# Altium PCB gaze_led_through_hole_daughtercard.PcbDoc (part 1 of 2)
Units mm, origin at the board's own origin, x right, y up, seen from the top; angles counter-clockwise.
Board outline 138 x 51 mm, 4 copper layers (Top Layer, L2, L3, Bottom Layer), stack 1.603 mm thick; 95 components, 89 nets, 297 pads, 441 vias.
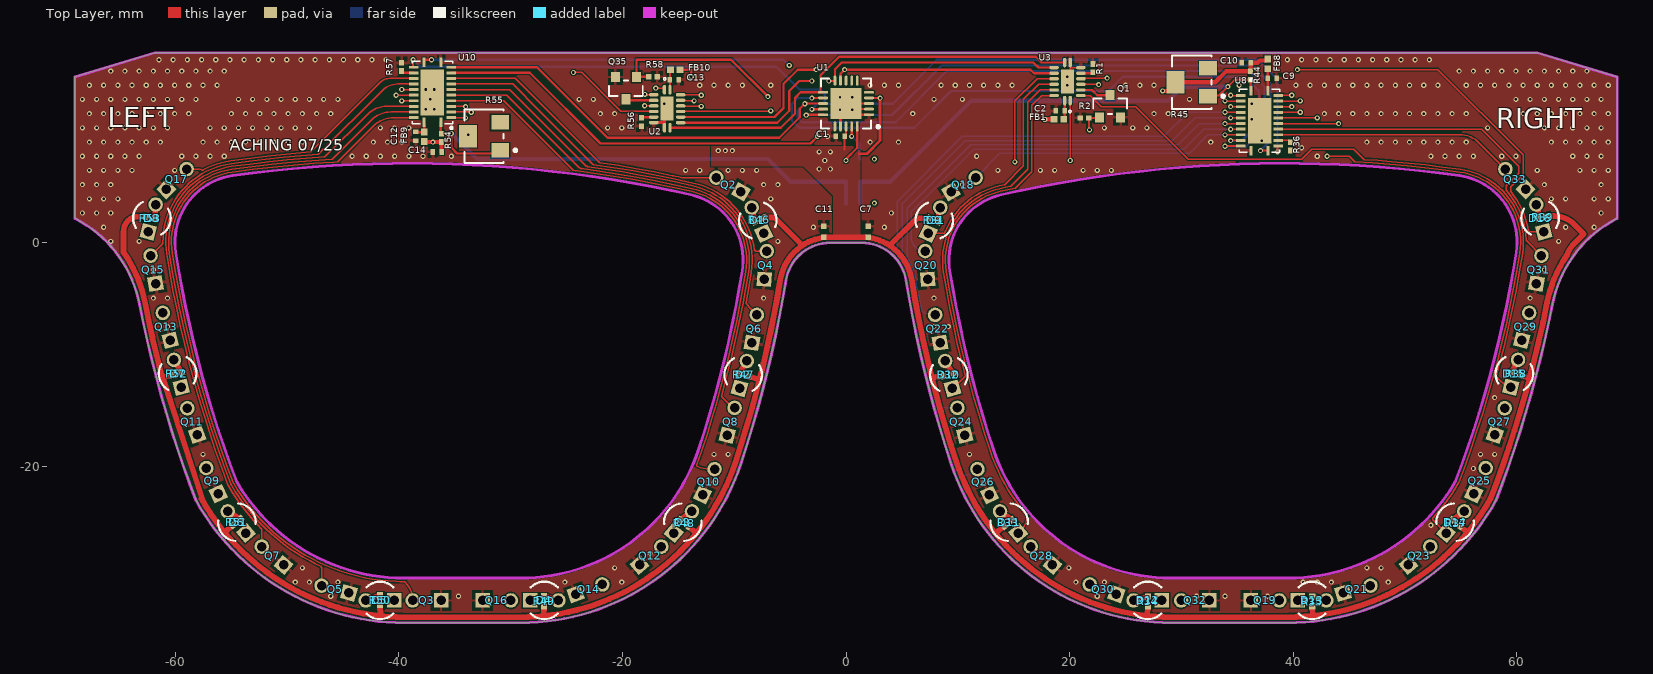
[diagram p0: Top Layer view]
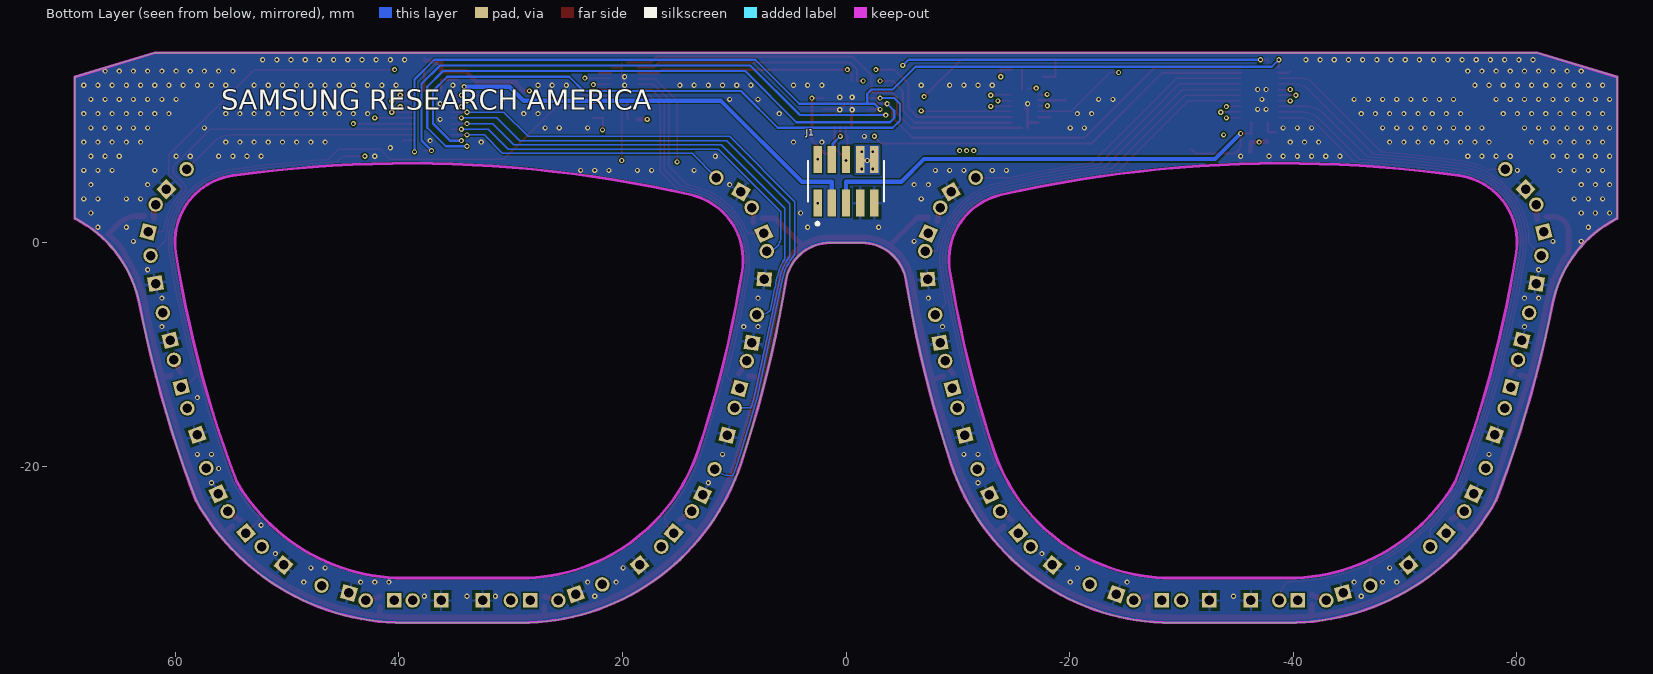
[diagram p1: Bottom Layer view, seen from below]
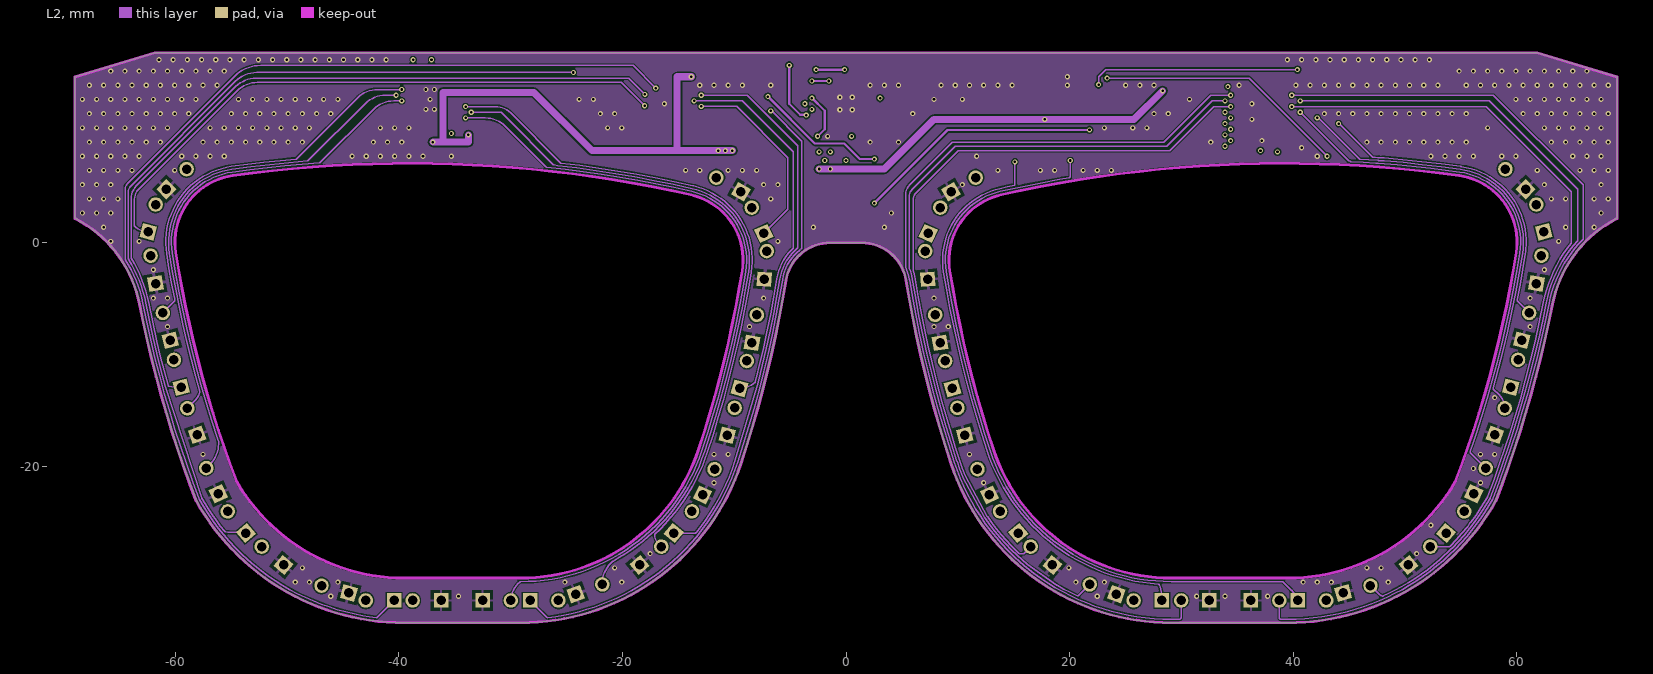
[diagram p2: L2]
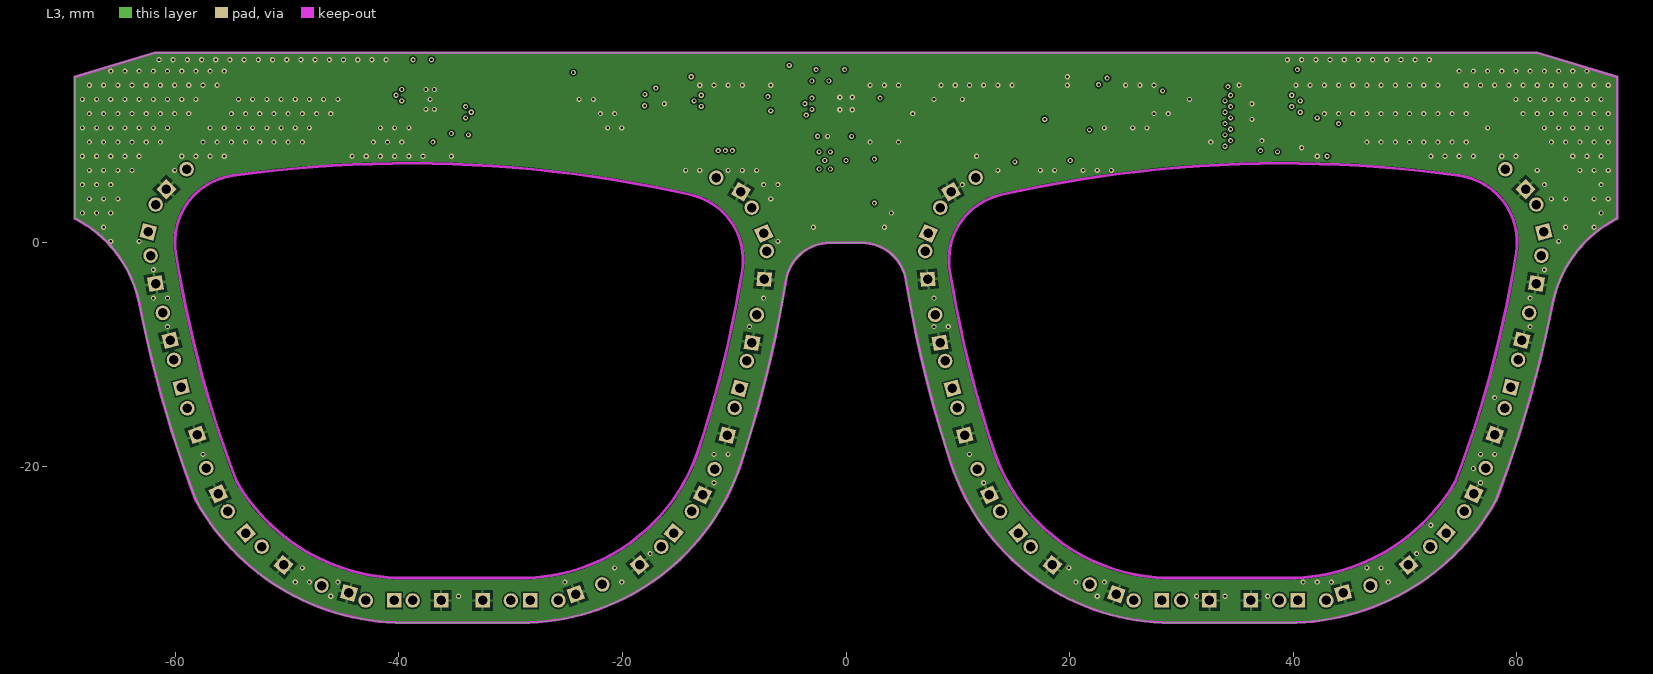
[diagram p3: L3]
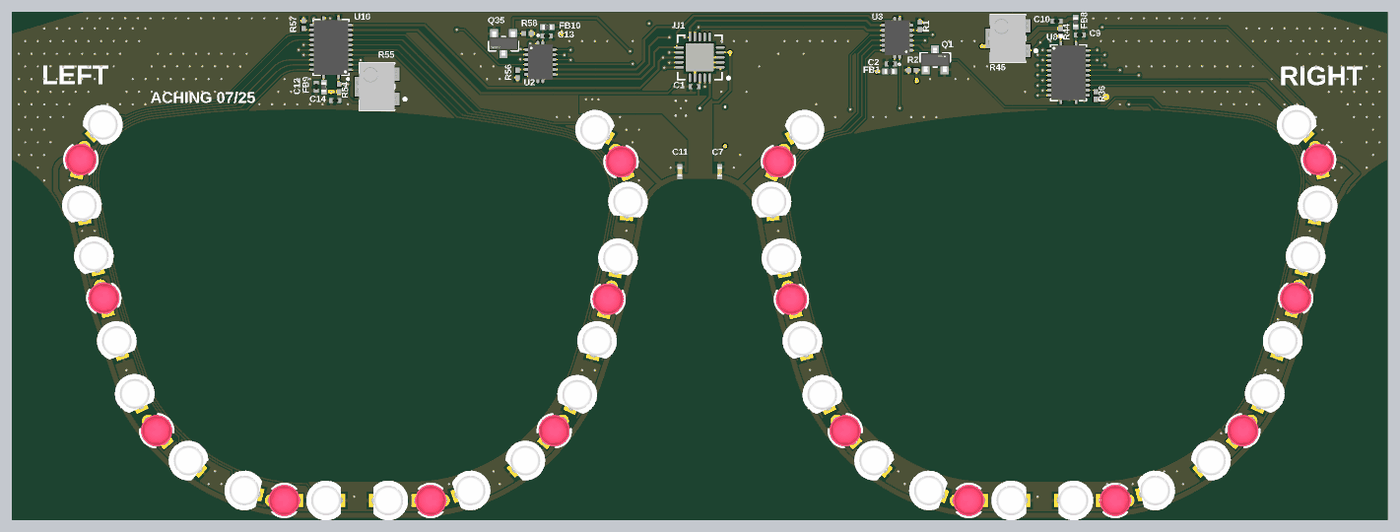
[diagram p5: 3D render of the assembled board from above, using the file's embedded part models]

## Layer stack, top to bottom
Top Solder: solder mask 0.0102, Solder Resist, Dk 3.5
Top Layer: signal copper 0.0356
Dielectric 2: prepreg 0.0711, PP-006, Dk 4.1
L2: signal copper 0.035
Dielectric 1: dielectric 1.32, FR-4, Dk 4.8
L3: signal copper 0.035
Dielectric 3: prepreg 0.0711, PP-006, Dk 4.1
Bottom Layer: signal copper 0.0356
Bottom Solder: solder mask 0.0102, Solder Resist, Dk 3.5

## Board outline
-58.149,-23.074 ccw(c-39.524,-12.662) -39.524,-34 -29.119,-34 ccw(c-29.119,-13.224) -9.393,-19.744 ccw(c-111.661,14.057) -5.369,-3.353 cw(c-1.421,-4) -1.421,0 1.421,0 cw(c1.421,-4) 5.369,-3.353 ccw(c111.661,14.057) 9.393,-19.744 ccw(c29.119,-13.224) 29.119,-34 39.524,-34 ccw(c39.524,-12.662) 58.149,-23.074 ccw(c-40.965,14.979) 63.212,-5.487 cw(c74.006,-7.608) 68.903,2.137 69,2.188 69,14.84 61.852,17 -61.852,17 -69,14.84 -69,2.188 -68.903,2.137 cw(c-74.006,-7.608) -63.212,-5.487 ccw(c40.965,14.979)
cut-out: 13.191,-18.489 cw(c111.661,14.057) 9.285,-2.515 cw(c15.208,-1.556) 13.882,4.296 cw(c39.064,-106.874) 54.872,6.011 cw(c54.04,0.069) 59.968,-0.862 cw(c-40.965,14.979) 54.522,-21.361 cw(c39.524,-12.662) 39.524,-30 29.119,-30 cw(c29.119,-13.224)
cut-out: -54.522,-21.361 cw(c40.965,14.979) -59.968,-0.862 cw(c-54.04,0.069) -54.872,6.011 cw(c-39.064,-106.875) -13.882,4.296 cw(c-15.208,-1.556) -9.285,-2.515 cw(c-111.661,14.057) -13.191,-18.489 cw(c-29.119,-13.224) -29.119,-30 -39.524,-30 cw(c-39.524,-12.662)

## Design rules (kind name [scope] priority, off if disabled: settings)
Clearance [All] p1: gap=0.127 ignorepadtopadclearanceinfootprint=FALSE
ComponentClearance [All] p1: gap=0.152 collisioncheckmode=3 verticalgap=0 showdistances=FALSE
PolygonConnect PolygonConnect_GND [InNet('GND')] p1: thpad.connectstyle=Relief thpad.reliefconductorwidth=0.254 thpad.reliefentries=4 thpad.polygonreliefangle="90 Angle" thpad.airgapwidth=0.254 smdpad.connectstyle=Relief smdpad.reliefconductorwidth=0.254 smdpad.reliefentries=4 smdpad.polygonreliefangle="90 Angle" smdpad.airgapwidth=0.254 via.connectstyle=Direct via.reliefconductorwidth=0.254 via.reliefentries=4 via.polygonreliefangle="90 Angle" via.airgapwidth=0.254
PolygonConnect [All] p2: connectstyle=Direct reliefconductorwidth=0.254 reliefentries=4 polygonreliefangle="90 Angle" airgapwidth=0.254
RoutingVias [All] p1: holewidth=0.229 width=0.457 viastyle="Through Hole" minholewidth=0.229 minwidth=0.457 maxholewidth=0.711 maxwidth=1.27
SolderMaskExpansion [All] p1: expansion=0.102 istentingtop=FALSE
Width [All] p1: maxlimit=2.54 minlimit=0.102 preferedwidth=0.127
29 further rules are at their usual default settings.

## Classes and differential pairs
component class right_led_gaze: C2 C7 C9 C10 D9 D10 D11 D12 D13 D14 D15 D16 FB1 FB8 Q1 Q18 Q19 Q20 Q21 Q22 Q23 Q24 Q25 Q26 Q27 Q28 Q29 Q30 Q31 Q32 Q33 R1 R2 R31 R32 R33 R34 R35 R36 R37 R38 R39 R44 R45 U3 U8
component class left_led_gaze: C11 C12 C13 C14 D1 D2 D3 D4 D5 D6 D7 D8 FB9 FB10 Q2 Q3 Q4 Q5 Q6 Q7 Q8 Q9 Q10 Q11 Q12 Q13 Q14 Q15 Q16 Q17 Q35 R46 R47 R48 R49 R50 R51 R52 R53 R54 R55 R56 R57 R58 U2 U10
component class connectors: C1 J1 U1

## Components (designator, comment, footprint, x,y, rotation, side; value= is the part's Value field where it differs from the comment)
C1 "GRM155R71C104KA88D" FP-GRM15-MFG -0.508,9.525 r0 top value=0.10μF
C2 "GRM155R71C104KA88D" FP-GRM15-MFG 19.177,11.811 r180 top value=0.10μF
C7 "CC0402KRX5R5BB105" FP-CC0402-MFG 2,1 r270 top value=1uF
C9 "GRM155R71C104KA88D" FP-GRM15-MFG 38.125,14.732 r0 top value=0.10μF
C10 "GRM155R71C104KA88D" FP-GRM15-MFG 35.809,16.109 r180 top value=0.10μF
C11 "CC0402KRX5R5BB105" FP-CC0402-MFG -2,1 r270 top value=1uF
C12 "GRM155R71C104KA88D" FP-GRM15-MFG -38.481,9.525 r270 top value=0.10μF
C13 "GRM155R71C104KA88D" FP-GRM15-MFG -15.367,14.605 r0 top value=0.10μF
C14 "GRM155R71C104KA88D" FP-GRM15-MFG -36.576,8.128 r180 top value=0.10μF
D1 "VSLB3940" FP-VSLB3940-MFG -7.9,2 r115 top locked
D2 "VSLB3940" FP-VSLB3940-MFG -9.2,-11.8 r75 top locked
D3 "VSLB3940" FP-VSLB3940-MFG -14.6,-25 r50 top locked
D4 "VSLB3940" FP-VSLB3940-MFG -27,-32 r0 top locked
D5 "VSLB3940" FP-VSLB3940-MFG -41.7,-32 r180 top locked
D6 "VSLB3940" FP-VSLB3940-MFG -54.5,-25 r130 top locked
D7 "VSLB3940" FP-VSLB3940-MFG -59.8,-11.7 r105 top locked
D8 "VSLB3940" FP-VSLB3940-MFG -62.1,2.2 r75 top locked
D9 "VSLB3940" FP-VSLB3940-MFG 7.9,2 r65 top locked
D10 "VSLB3940" FP-VSLB3940-MFG 9.2,-11.8 r105 top locked
D11 "VSLB3940" FP-VSLB3940-MFG 14.6,-25 r130 top locked
D12 "VSLB3940" FP-VSLB3940-MFG 27,-32 r180 top locked
D13 "VSLB3940" FP-VSLB3940-MFG 41.7,-32 r0 top locked
D14 "VSLB3940" FP-VSLB3940-MFG 54.5,-25 r50 top locked
D15 "VSLB3940" FP-VSLB3940-MFG 59.8,-11.7 r75 top locked
D16 "VSLB3940" FP-VSLB3940-MFG 62.1,2.2 r105 top locked
FB1 "BLM15AG601SN1D" FP-BLM15-0_05-IPC_B 19.05,11.049 r0 top
FB8 "BLM15AG601SN1D" FP-BLM15-0_05-IPC_B 37.719,16.002 r270 top
FB9 "BLM15AG601SN1D" FP-BLM15-0_05-IPC_B -37.719,9.477 r90 top
FB10 "BLM15AG601SN1D" FP-BLM15-0_05-IPC_B -15.288,15.494 r180 top
J1 "20021121-00010C4LF" FP-20021121-00010C4LF-MFG 0,5.5 r180 bottom locked
Q1 "DMG2302UK-7" FP-SOT23-MFG 23.622,12.208 r90 top
Q2 "LTR-4206" FP-LTR-4206-MFG -10.5,5.2 r150 top locked
Q3 "LTR-4206" FP-LTR-4206-MFG -37.5,-32 r180 top locked
Q4 "LTR-4206" FP-LTR-4206-MFG -7.2,-2 r85 top locked
Q5 "LTR-4206" FP-LTR-4206-MFG -45.7,-31 r165 top locked
Q6 "LTR-4206" FP-LTR-4206-MFG -8.2,-7.7 r80 top locked
Q7 "LTR-4206" FP-LTR-4206-MFG -51.3,-28 r140 top locked
Q8 "LTR-4206" FP-LTR-4206-MFG -10.3,-16 r75 top locked
Q9 "LTR-4206" FP-LTR-4206-MFG -56.7,-21.3 r115 top locked
Q10 "LTR-4206" FP-LTR-4206-MFG -12.3,-21.4 r65 top locked
Q11 "LTR-4206" FP-LTR-4206-MFG -58.5,-16 r110 top locked
Q12 "LTR-4206" FP-LTR-4206-MFG -17.5,-28 r40 top locked
Q13 "LTR-4206" FP-LTR-4206-MFG -60.8,-7.5 r105 top locked
Q14 "LTR-4206" FP-LTR-4206-MFG -23,-31 r20 top locked
Q15 "LTR-4206" FP-LTR-4206-MFG -62,-2.4 r100 top locked
Q16 "LTR-4206" FP-LTR-4206-MFG -31.25,-32 r0 top locked
Q17 "LTR-4206" FP-LTR-4206-MFG -59.9,5.7 r45 top locked
Q18 "LTR-4206" FP-LTR-4206-MFG 10.5,5.2 r30 top locked
Q19 "LTR-4206" FP-LTR-4206-MFG 37.5,-32 r0 top locked
Q20 "LTR-4206" FP-LTR-4206-MFG 7.2,-2 r95 top locked
Q21 "LTR-4206" FP-LTR-4206-MFG 45.7,-31 r15 top locked
Q22 "LTR-4206" FP-LTR-4206-MFG 8.2,-7.7 r100 top locked
Q23 "LTR-4206" FP-LTR-4206-MFG 51.3,-28 r40 top locked
Q24 "LTR-4206" FP-LTR-4206-MFG 10.3,-16 r105 top locked
Q25 "LTR-4206" FP-LTR-4206-MFG 56.7,-21.3 r65 top locked
Q26 "LTR-4206" FP-LTR-4206-MFG 12.3,-21.4 r115 top locked
Q27 "LTR-4206" FP-LTR-4206-MFG 58.5,-16 r70 top locked
Q28 "LTR-4206" FP-LTR-4206-MFG 17.5,-28 r140 top locked
Q29 "LTR-4206" FP-LTR-4206-MFG 60.8,-7.5 r75 top locked
Q30 "LTR-4206" FP-LTR-4206-MFG 23,-31 r160 top locked
Q31 "LTR-4206" FP-LTR-4206-MFG 62,-2.4 r80 top locked
Q32 "LTR-4206" FP-LTR-4206-MFG 31.25,-32 r180 top locked
Q33 "LTR-4206" FP-LTR-4206-MFG 59.9,5.7 r135 top locked
Q35 "DMG2302UK-7" FP-SOT23-MFG -19.685,13.843 r270 top
R1 "CRCW04024K70FKEDHP" RESC1005X40X25LL05T10 22.098,15.627 r90 top value=4.7k
R2 "CRCW04024K70FKEDHP" RESC1005X40X25LL05T10 21.336,11.176 r0 top value=4.7k
R31 "ERJ-2RKF1001X" RESC1005X40X25NL05T05 7.874,2.032 r335 top
R32 "ERJ-2RKF1001X" RESC1005X40X25NL05T05 9.144,-11.811 r15 top
R33 "ERJ-2RKF1001X" RESC1005X40X25NL05T05 14.521,-25.066 r40 top
R34 "ERJ-2RKF1001X" RESC1005X40X25NL05T05 27.012,-32.087 r90 top
R35 "ERJ-2RKF1001X" RESC1005X40X25NL05T05 41.714,-32.105 r90 top
R36 "CRCW04024K70FKEDHP" RESC1005X40X25LL05T10 39.751,8.636 r90 top value=4.7k
R37 "ERJ-2RKF1001X" RESC1005X40X25NL05T05 54.595,-25.077 r140 top
R38 "ERJ-2RKF1001X" RESC1005X40X25NL05T05 59.963,-11.723 r165 top
R39 "ERJ-2RKF1001X" RESC1005X40X25NL05T05 62.357,2.286 r195 top
R44 "CRCW04024K70FKEDHP" RESC1005X40X25LL05T10 36.209,14.966 r90 top value=NP
R45 "3214W-1-504E" BOUR-3214W_V 30.935,14.371 r180 top
R46 "ERJ-2RKF1001X" RESC1005X40X25NL05T05 -7.768,2.067 r205 top
R47 "ERJ-2RKF1001X" RESC1005X40X25NL05T05 -9.144,-11.811 r165 top
R48 "ERJ-2RKF1001X" RESC1005X40X25NL05T05 -14.49,-25.071 r140 top
R49 "ERJ-2RKF1001X" RESC1005X40X25NL05T05 -27.005,-32.073 r90 top
R50 "ERJ-2RKF1001X" RESC1005X40X25NL05T05 -41.687,-31.963 r90 top
R51 "ERJ-2RKF1001X" RESC1005X40X25NL05T05 -54.513,-24.984 r40 top
R52 "ERJ-2RKF1001X" RESC1005X40X25NL05T05 -59.879,-11.727 r15 top
R53 "ERJ-2RKF1001X" RESC1005X40X25NL05T05 -62.238,2.216 r345 top
R54 "CRCW04024K70FKEDHP" RESC1005X40X25LL05T10 -36.195,9.398 r270 top value=NP
R55 "3214W-1-502E" BOUR-3214W_V -32.385,9.525 r180 top
R56 "CRCW04024K70FKEDHP" RESC1005X40X25LL05T10 -18.288,10.801 r270 top value=4.7k
R57 "CRCW04024K70FKEDHP" RESC1005X40X25LL05T10 -39.751,15.748 r270 top value=4.7k
R58 "CRCW04024K70FKEDHP" RESC1005X40X25LL05T10 -17.278,14.859 r180 top value=4.7k
U1 "MCP23008-E/ML" QFN-ML20_M 0.008,12.464 r180 top
U2 "74HC4051BQ,115" QFN50P250X350X100-17N -16,12 r270 top
U3 "74HC4051BQ,115" QFN50P250X350X100-17N 19.816,14.429 r90 top
U8 "74HC4067BQ,118" QFN50P550X350X100-25N410X210 37,10.922 r0 top
U10 "74HC4067BQ,118" QFN50P550X350X100-25N410X210 -37,13.462 r180 top

## Footprints (in the part's own frame and the unit in brackets; to place one, negate y for a bottom-side part, rotate by r counter-clockwise, add the part's x,y. Pads: shape width x height; smd on the part's side, far side on the other; paste and mask are expansions set on the pad)
BOUR-3214W_V [mm] "SMD, 3-Leads, Body 3.5x4.8mm, Pitch 1.25mm"
  rect 1.6x1.3 smd paste+0: 1(-1.45,1.25) 3(-1.45,-1.25)
  rect 1.6x2 smd paste+0: 2(1.45,0)
  silkscreen extent -2.93,-2.4 1.75,2.4, body extent -1.98,-2.41 1.98,2.41, height 5.28
FP-20021121-00010C4LF-MFG [mm]
  rect 0.76x2.4 smd paste+0 mask+0: 1(-2.54,-1.95) 2(-2.54,1.95) 3(-1.27,-1.95) 4(-1.27,1.95) 5(0,-1.95) 6(0,1.95) 7(1.27,-1.95) 8(1.27,1.95) 9(2.54,-1.95) 10(2.54,1.95)
  silkscreen extent -3.4,-3.9 3.4,1.82, body extent -3.18,-2.75 3.18,2.75, height 4.85
FP-BLM15-0_05-IPC_B [mm]
  rect 0.615x0.572 smd paste+0 mask+0: 1(-0.429,0) 2(0.429,0)
  body extent -0.89,-0.44 0.89,0.44, height 0.25
FP-CC0402-MFG [mm]
  rect 0.5x0.5 smd paste+0 mask+0: 1(-0.5,0) 2(0.5,0)
  body extent -0.87,-0.48 0.87,0.48, height 0.25
FP-GRM15-MFG [mm]
  rect 0.4x0.5 smd paste+0 mask+0: 1(-0.4,0) 2(0.4,0)
  body extent -0.7,-0.38 0.7,0.38, height 0.25
FP-LTR-4206-MFG [mm]
  rect 1.3x1.3 hole 0.85 paste-1000 mask+0: 1(-1.27,0)
  round 1.3 hole 0.85 paste-1000 mask+0: 2(1.27,0)
  body extent -2.22,-2.22 2.23,2.23, height 0.25
FP-SOT23-MFG [mm]
  rect 0.9x0.8 smd paste+0 mask+0: 1(-1,0.95) 2(-1,-0.95) 3(1,0)
  silkscreen extent -0.7,-1.5 0.7,1.5, body extent -1.55,-1.6 1.55,1.6, height 0.25
FP-VSLB3940-MFG [mm]
  rect 1.3x1.3 hole 0.85 paste-1000 mask+0: 1(-1.27,0)
  round 1.3 hole 0.85 paste-1000 mask+0: 2(1.27,0)
  silkscreen extent -1.2,-1.68 1.2,1.68, body extent -2.32,-2.32 2.32,2.32, height 0.25
QFN50P250X350X100-17N [mm]
  oval 0.85x0.3 smd: 1(-1.7,-0.25) 8(1.7,-0.25) 9(1.7,0.25) 16(-1.7,0.25)
  oval 0.3x0.85 smd: 2(-1.25,-1.2) 3(-0.75,-1.2) 4(-0.25,-1.2) 5(0.25,-1.2) 6(0.75,-1.2) 7(1.25,-1.2) 10(1.25,1.2) 11(0.75,1.2) 12(0.25,1.2) 13(-0.25,1.2) 14(-0.75,1.2) 15(-1.25,1.2)
  rect 2.15x1.15 smd paste-2: 17(0,0)
  silkscreen extent -2.78,-0.33 -2.56,-0.11, body extent -1.75,-1.25 1.75,1.25, height 1
QFN50P550X350X100-25N410X210 [mm]
  rect 0.26x0.86 smd: 1(-0.75,2.685) 12(-0.75,-2.685) 13(0.75,-2.685) 24(0.75,2.685)
  rect 0.86x0.26 smd: 2(-1.685,2.25) 3(-1.685,1.75) 4(-1.685,1.25) 5(-1.685,0.75) 6(-1.685,0.25) 7(-1.685,-0.25) 8(-1.685,-0.75) 9(-1.685,-1.25) 10(-1.685,-1.75) 11(-1.685,-2.25) 14(1.685,-2.25) 15(1.685,-1.75) 16(1.685,-1.25) 17(1.685,-0.75) 18(1.685,-0.25) 19(1.685,0.25) 20(1.685,0.75) 21(1.685,1.25) 22(1.685,1.75) 23(1.685,2.25)
  rect 2.1x4.1 smd paste-3 mask+0: 25(0,0)
  silkscreen extent -1.8,-2.8 1.8,3.75, body extent -1.75,-2.75 1.75,2.75, height 1
QFN-ML20_M [mm] "QFN, 20-Leads, Body 4x4mm, Pitch 0.5mm, Thermal Pad 2.8x2.8mm, IPC Low Density"
  oval 0.9x0.25 smd: 1(-2.05,1) 2(-2.05,0.5) 3(-2.05,0) 4(-2.05,-0.5) 5(-2.05,-1) 11(2.05,-1) 12(2.05,-0.5) 13(2.05,0) 14(2.05,0.5) 15(2.05,1)
  oval 0.25x0.9 smd: 6(-1,-2.05) 7(-0.5,-2.05) 8(0,-2.05) 9(0.5,-2.05) 10(1,-2.05) 16(1,2.05) 17(0.5,2.05) 18(0,2.05) 19(-0.5,2.05) 20(-1,2.05)
  rect 2.8x2.8 smd: 21(0,0)
  silkscreen extent -3,-2.22 2.23,2.23, body extent -2.07,-2.07 2.08,2.08, height 1
RESC1005X40X25LL05T10 [mm] "Chip Resistor, 2-Leads, Body 1.00x0.50mm, IPC High Density"
  rect 0.5x0.45 smd: 1(-0.375,0) 2(0.375,0)
  body extent -0.53,-0.27 0.53,0.28, height 0.4
RESC1005X40X25NL05T05 [mm] "Chip Resistor, 2-Leads, Body 1.05x0.55mm, IPC Medium Density"
  rect 0.55x0.55 smd: 1(-0.45,0) 2(0.45,0)
  body extent -0.53,-0.28 0.53,0.28, height 0.4
